# KiCad board V1.1.kicad_pcb (continued)
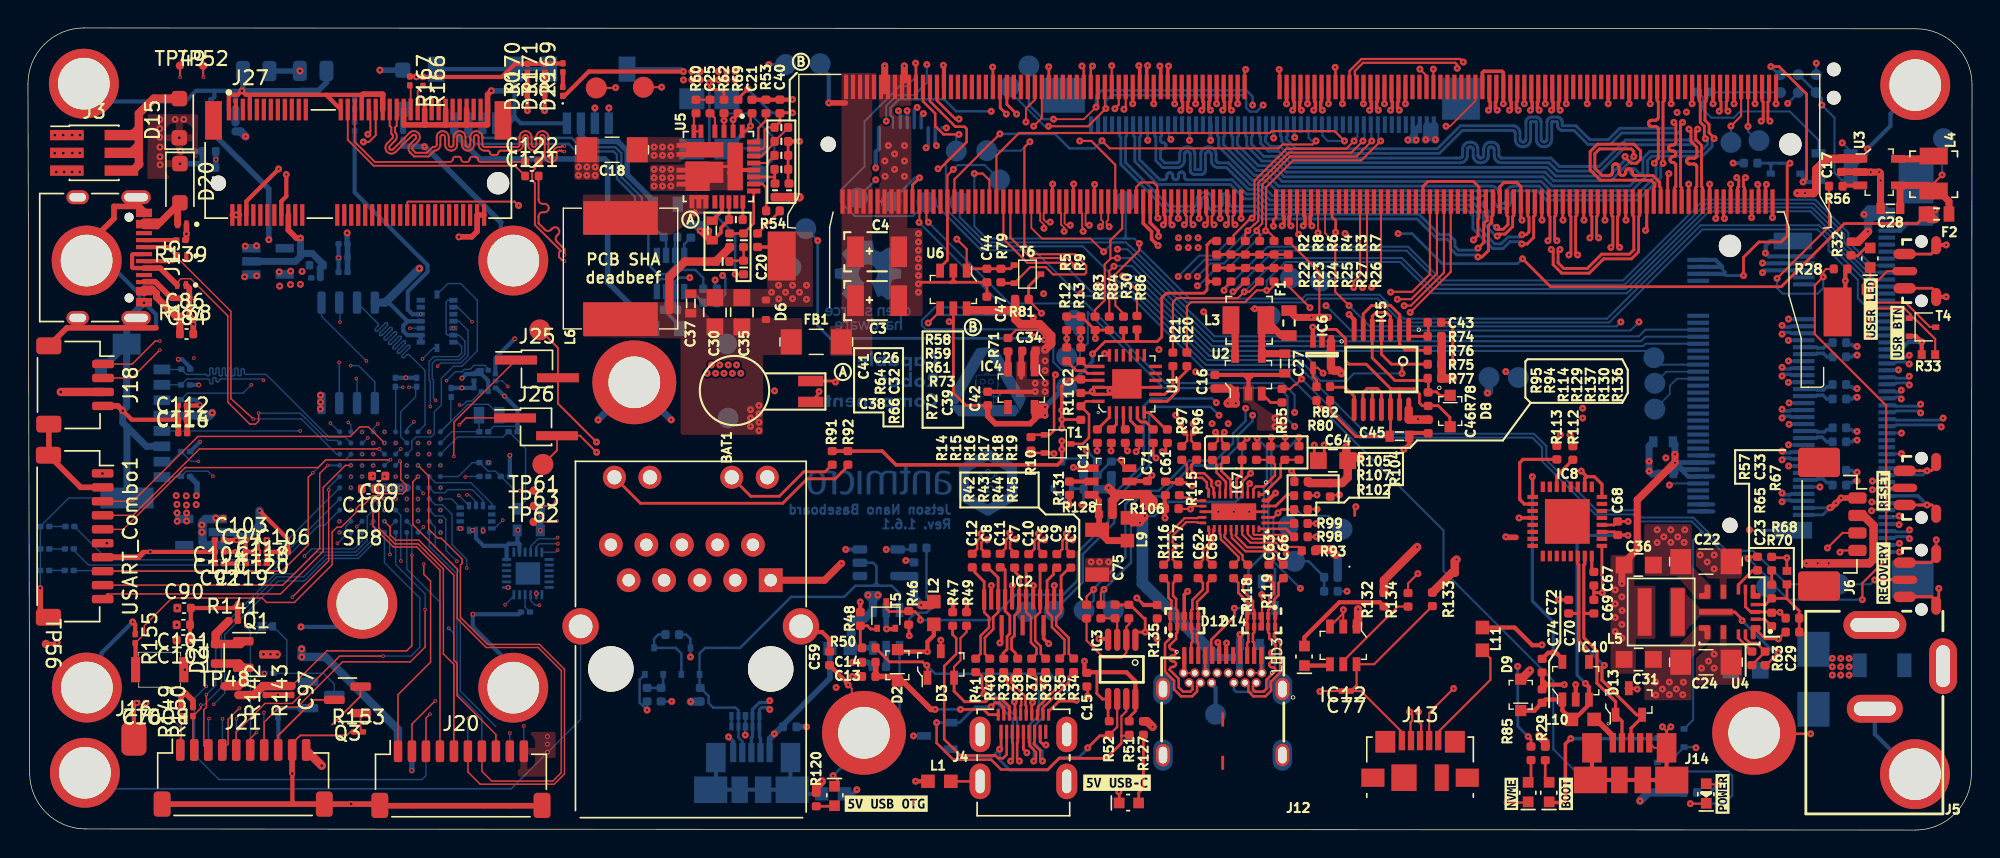
[diagram p0: board, top side]
## Routing (per net, layer and track width the routed paths; a pad name or vN(x,y) marks a point on that pad's centre or on a via; arc(x,y) is an arc through that point) (continued)
/NextPx4/SDMMC1_CK: length 15.3
  In3_SIGNAL.Cu w0.1: v4(23.89,26.9) 23.89,27.33 23.53,27.7 21.44,27.7 20.57,28.57 v4(19.47,28.57)
  Bottom w0.1: v4(19.47,28.57) J23.5
/NextPx4/SDMMC1_CMD: length 18.2
  In3_SIGNAL.Cu w0.1: v4(24.69,27.71) 24.69,28.21 23.3,29.6 20.52,29.6 17.5,32.62 16.67,32.62 15.97,31.92 v4(15.97,31.86)
  Bottom w0.1: v4(15.97,31.86) 15.38,31.27 11.4,31.27 R163.1 10.9,30.77 J23.3
/NextPx4/SDMMC1_D0: length 18.9
  In3_SIGNAL.Cu w0.1: v4(23.09,24.5) 22.76,24.83 22.76,24.87 16.07,24.87 arc(15.99,24.83) 15.96,24.75 15.96,24.52 arc(15.92,24.44) 15.84,24.41 arc(15.77,24.44) 15.73,24.52 15.73,24.75 arc(15.7,24.83) 15.62,24.87 arc(15.54,24.83) 15.51,24.75 15.51,24.52 arc(15.47,24.44) 15.39,24.41 arc(15.32,24.44) 15.28,24.52 15.28,24.75 arc(15.25,24.83) 15.17,24.87 arc(15.09,24.83) 15.06,24.75 15.06,24.52 arc(15.02,24.44) 14.94,24.41 arc(14.87,24.44) 14.83,24.52 14.83,24.75 arc(14.8,24.83) 14.72,24.87 arc(14.64,24.83) 14.61,24.75 14.61,24.52 arc(14.57,24.44) 14.49,24.41 arc(14.42,24.44) 14.38,24.52 14.38,24.75 arc(14.35,24.83) 14.27,24.87 arc(14.19,24.83) 14.16,24.75 14.16,24.52 arc(14.12,24.44) 14.04,24.41 arc(13.97,24.44) 13.93,24.52 13.93,24.75 arc(13.9,24.83) 13.82,24.87 13.08,24.87 12.19,25.76 v4(12.19,26.39)
  Bottom w0.1: J23.7 10.23,26.37 R164.1 11.65,26.39 v4(12.19,26.39)
/NextPx4/SDMMC1_D1: length 18.2
  In3_SIGNAL.Cu w0.1: v4(13.23,25.32) 13.46,25.09 16.52,25.09 arc(16.6,25.12) 16.63,25.2 16.63,25.43 arc(16.67,25.51) 16.74,25.54 arc(16.82,25.51) 16.86,25.43 16.86,25.2 arc(16.89,25.12) 16.97,25.09 arc(17.05,25.12) 17.08,25.2 17.08,25.43 arc(17.12,25.51) 17.19,25.54 arc(17.27,25.51) 17.31,25.43 17.31,25.2 arc(17.34,25.12) 17.42,25.09 arc(17.5,25.12) 17.53,25.2 17.53,25.43 arc(17.57,25.51) 17.64,25.54 arc(17.72,25.51) 17.76,25.43 17.76,25.2 arc(17.79,25.12) 17.87,25.09 arc(17.95,25.12) 17.98,25.2 17.98,25.43 arc(18.02,25.51) 18.09,25.54 arc(18.17,25.51) 18.21,25.43 18.21,25.2 arc(18.24,25.12) 18.32,25.09 arc(18.4,25.12) 18.43,25.2 18.43,25.43 arc(18.47,25.51) 18.54,25.54 arc(18.62,25.51) 18.66,25.43 18.66,25.2 arc(18.69,25.12) 18.77,25.09 arc(18.85,25.12) 18.88,25.2 18.88,25.43 arc(18.92,25.51) 18.99,25.54 arc(19.07,25.51) 19.11,25.43 19.11,25.2 arc(19.14,25.12) 19.22,25.09 22.91,25.09 v4(23.09,25.28)
  Bottom w0.1: J23.8 10.9,25.27 R165.1 11.31,25.68 12.86,25.68 v4(13.23,25.32)
/NextPx4/SDMMC1_D2: length 21.3
  Bottom w0.1: U22.B9 22.67,28.12 21.52,28.12 17.02,32.61 15.58,32.61 arc(15.5,32.65) 15.47,32.73 15.47,32.92 arc(15.44,33) 15.36,33.04 arc(15.28,33) 15.24,32.92 15.24,32.56 arc(15.23,32.53) 15.19,32.51 15.07,32.51 arc(15.03,32.53) 15.02,32.56 15.02,32.96 arc(14.99,33.04) 14.91,33.08 arc(14.83,33.04) 14.79,32.96 14.79,32.56 arc(14.78,32.53) 14.74,32.51 14.62,32.51 arc(14.58,32.53) 14.57,32.56 14.57,32.97 arc(14.54,33.05) 14.46,33.09 arc(14.38,33.05) 14.34,32.97 14.34,32.56 arc(14.33,32.53) 14.29,32.51 14.17,32.51 arc(14.13,32.53) 14.12,32.56 14.12,32.98 arc(14.09,33.06) 14.01,33.09 arc(13.93,33.06) 13.89,32.98 13.89,32.56 arc(13.88,32.53) 13.84,32.51 13.72,32.51 arc(13.68,32.53) 13.67,32.56 13.67,32.98 arc(13.64,33.06) 13.56,33.09 arc(13.48,33.06) 13.44,32.98 13.44,32.73 arc(13.41,32.65) 13.33,32.61 arc(13.25,32.65) 13.22,32.73 13.22,32.98 arc(13.19,33.06) 13.11,33.09 arc(13.03,33.06) 12.99,32.98 12.99,32.56 arc(12.98,32.53) 12.94,32.51 12.82,32.51 arc(12.78,32.53) 12.77,32.56 arc(12.76,32.6) 12.72,32.61 11.33,32.61 R161.1 10.94,32.97 J23.1
/NextPx4/SDMMC1_D3: length 18.2
  In3_SIGNAL.Cu w0.1: v4(24.3,28.07) 21.65,28.07 17.53,32.19 v4(16.84,32.19)
  Bottom w0.1: v4(16.84,32.19) 16.75,32.28 13.78,32.28 arc(13.7,32.25) 13.67,32.18 arc(13.64,32.1) 13.56,32.07 13.55,32.07 arc(13.47,32.1) 13.44,32.18 13.44,32.33 arc(13.43,32.37) 13.39,32.38 13.27,32.38 arc(13.23,32.37) 13.22,32.33 13.22,32.04 arc(13.18,31.96) 13.1,31.92 arc(13.03,31.96) 12.99,32.04 12.99,32.17 arc(12.96,32.25) 12.88,32.28 11.36,32.28 R162.1 10.93,31.87 J23.2 ; U22.B8 23.93,27.7 v4(24.3,28.07)
/NextPx4/SPI1_MISO: length 12.8
  In3_SIGNAL.Cu w0.1: v4(27.89,22.1) 27.89,21.41 29.45,19.85 31.3,19.85 35.07,16.09 v4(36.57,16.09)
  Bottom w0.1: v4(36.57,16.09) 36.27,16.09 35.95,16.42 U26.9
/NextPx4/SPI1_MOSI: length 12.2
  In3_SIGNAL.Cu w0.1: v4(28.28,21.69) 28.28,21.34 29.54,20.08 37.83,20.08 v4(37.87,20.04)
  Bottom w0.1: U26.24 37.72,19.89 v4(37.87,20.04) ; U22.K3 v4(28.28,21.69)
/NextPx4/SPI1_SCK: length 13.4
  In3_SIGNAL.Cu w0.1: v4(37.88,20.49) 29.7,20.49 28.65,21.53 28.65,22.14 v4(27.89,22.9)
  Bottom w0.1: U26.23 36.35,20.27 36.57,20.49 v4(37.88,20.49)
/NextPx4/SPI2_MISO: length 5.6
  Bottom w0.1: U22.E2 29.13,24.86 31.67,24.86 33.17,23.37 U24.1
/NextPx4/SPI2_MOSI: length 4.8
  Bottom w0.1: U24.14 32.54,23.59 31.76,24.36 30.02,24.36 29.8,24.14 29.05,24.14 U22.F2
/NextPx4/SPI2_SCK: length 10.1
  In3_SIGNAL.Cu w0.1: 31.46,23.99 v4(31.4,23.99) 31.29,23.99 30.96,24.32 30.64,24.32 30.49,24.17 29.7,24.17 29.66,24.12 28.63,24.12 28.63,24.25 27.97,24.91 25.36,24.91 25.05,25.22 25.05,26.54 v4(24.69,26.9)
  Bottom w0.1: U24.13 32.04,23.5 31.54,23.99 v4(31.4,23.99)
/NextPx4/SPI3_MISO: length 15.3
  In3_SIGNAL.Cu w0.1: v4(25.49,28.5) 27.67,30.68 29.08,30.68 v4(29.15,30.75)
  Bottom w0.1: 30.41,37.92 30.02,37.92 29.9,37.8 29.9,35.54 30.02,35.42 30.81,35.42 31.24,34.98 31.24,34.05 30.85,33.65 29.17,33.65 28.9,33.39 28.9,32.31 28.99,32.22 28.99,30.9 v4(29.15,30.75)
/NextPx4/SPI3_MOSI: length 11.9
  In3_SIGNAL.Cu w0.1: v4(28.77,30.31) 28.77,30.3 28.06,29.59 27.44,29.59 26.67,28.82 v4(26.66,27.28) 26.67,27.28
  Bottom w0.1: v4(26.66,27.28) 26.29,26.91 U22.C5 ; 30.41,34.92 30.7,34.92 31.02,34.6 31.02,34.14 30.76,33.88 29.02,33.88 28.68,33.54 28.68,32.22 28.77,32.13 v4(28.77,30.31)
/NextPx4/SPI3_SCK: length 9
  In3_SIGNAL.Cu w0.1: v4(28.21,33.72) 26.49,33.72 25.57,32.8 25.57,29.63 v4(25.01,29.07)
  Bottom w0.1: v4(28.21,33.72) 28.99,34.5 U25.8 ; U22.A7 24.69,28.75 v4(25.01,29.07)
/NextPx4/SPI4_MISO: length 37.9
  Top w0.1: J20.6 31.46,4.16 32.33,3.28 37.62,3.28 38.36,4.02 38.36,11.5 36.58,13.29 32.86,13.29 30.92,15.23 30.92,18.96 31.04,19.08 31.04,19.4 29.55,20.89 29.3,20.89 28.65,21.53 28.65,25.34 v4(27.89,26.1)
/NextPx4/SPI4_MOSI: length 35.6
  Top w0.1: v4(27.89,25.3) 27.52,24.93 27.52,21.86 30.7,18.68 30.7,15.13 32.77,13.06 36.49,13.06 38.14,11.41 38.14,6.28 38.13,6.27 38.13,4.11 37.53,3.51 33.16,3.51 32.46,4.21 J20.7
/NextPx4/SPI4_SCK: length 20.7
  Top w0.1: v4(25.49,22.1) 25.9,21.69 25.9,21.13 26.28,20.75 27.95,20.75 30.45,18.24 30.45,12.17 30.68,11.94 30.68,9.61 33.46,6.84 J20.8
/NextPx4/SWDIO: length 27.4
  Top w0.1: v4(37.83,22.13) 37.76,22.06 TP62.1
  In5_3V3_SYS_SIGNAL.Cu w0.1: v4(37.83,22.13) 38.41,22.71 38.41,29.46 38.04,29.82 22.32,29.82 v4(21.63,29.13)
  Bottom w0.1: U22.A10 22.25,28.5 v4(21.63,29.13)
/NextPx4/UART4_RX: length 35.5
  Top w0.1: J26.1 31.32,29.49 v4(30.84,29.01) ; J18.2 7.43,32.36 v4(9.43,34.36)
  In3_SIGNAL.Cu w0.1: v4(23.9,26.09) 23.51,25.7 21.2,25.7 12.53,34.37 9.44,34.37 v4(9.43,34.36)
  In5_3V3_SYS_SIGNAL.Cu w0.1: v4(23.9,26.09) 24.28,26.47 25.36,26.47 25.79,26.9 27.26,26.9 27.67,27.31 29.14,27.31 v4(30.84,29.01)
/NextPx4/UART4_TX: length 40.4
  Top w0.1: J25.1 30.46,29.21 30.46,27.77 30.45,27.76 v4(30.45,26.75) ; J18.1 7.4,33.36 7.43,33.33 9.1,35 v4(9.43,35)
  In3_SIGNAL.Cu w0.1: v4(9.43,35) 12.23,35 19.94,27.29 22.69,27.29 23.51,26.46 24.06,26.46 24.27,26.25 24.27,25.68 v4(23.89,25.3)
  In5_3V3_SYS_SIGNAL.Cu w0.1: v4(30.45,26.75) 30.45,26.54 29.61,25.69 24.28,25.69 v4(23.89,25.3)
/NextPx4/UART5_RX: length 21.4
  In3_SIGNAL.Cu w0.1: v4(15.57,14.57) 15.57,15.8 18.28,18.51 18.67,18.51 v4(19.77,19.61)
  Bottom w0.1: v4(19.77,19.61) 20.29,20.13 23.33,20.13 23.89,20.69 U22.K8 ; U23.2 v4(15.57,14.57) 15.91,14.23 15.91,6.52
/NextPx4/UART5_TX: length 28.9
  In3_SIGNAL.Cu w0.1: v4(23.52,21.72) 23.52,20.36 23.72,20.16 27.82,20.16 28.84,19.14 28.84,14.3 23.14,8.6 17.05,8.6 v4(16.87,8.42)
  Bottom w0.1: 23.89,22.09 v4(23.52,21.72) ; v4(16.87,8.42) 16.87,6.55
  Bottom w0.125: U22.J8 23.89,22.09 ; 16.87,5.78 J17.4
/NextPx4/UART7_RX: length 27.3
  In3_SIGNAL.Cu w0.1: v4(26.67,19.26) 27.69,18.24 27.69,13.9 22.99,9.21 17.68,9.21 17.58,9.31 15.26,9.31 v4(13.91,7.96)
  Bottom w0.1: 13.91,7.96 13.91,6.52 ; 26.66,19.26 26.66,22.53 U22.H5
  Bottom w0.125: v4(13.91,7.96) 13.91,7.96 ; v4(26.67,19.26) 26.66,19.26
/NextPx4/UART7_TX: length 26.8
  In3_SIGNAL.Cu w0.1: v4(14.91,7.96) 15.84,8.89 23.03,8.89 27.94,13.8 27.94,18.62 26.84,19.72 v4(25.89,19.72)
  Bottom w0.1: U22.J5 25.86,21.67 25.86,19.75 ; 14.91,6.52 14.91,7.96
  Bottom w0.125: v4(25.89,19.72) 25.86,19.75 ; 14.91,7.96 v4(14.91,7.96)
/NextPx4/USART1_CK: length 24.4
  Top w0.1: 5.71,16.9 18.06,16.9 21.11,19.95 21.11,24.52 22.69,26.1 v4(23.1,26.1)
  Top w0.15: USART_Combo1.10 5.71,16.9
  Bottom w0.125: 23.09,26.12 v4(23.1,26.1) U22.D9
/NextPx4/USART1_RX: length 23.6
  Top w0.1: USART_Combo1.9 18.22,17.53 20.86,20.17 20.86,25.53 v4(21.43,26.1)
  Bottom w0.125: v4(21.43,26.1) 21.43,26.1 U22.D10
/NextPx4/USART1_TX: length 24.1
  Top w0.1: USART_Combo1.8 18.16,18.53 20.04,20.41 20.04,25.24 v4(20.37,25.57)
  Bottom w0.1: v4(20.37,25.57) 21.27,26.47 22.66,26.47 U22.C9
  Bottom w0.125: U22.C9 23.09,26.92
/NextPx4/USART2_CK: length 23.2
  Top w0.1: v4(25.92,26.5) 21.3,26.5 20.74,25.95 11.25,25.95 6.82,21.52 5.58,21.52 5.57,21.53 USART_Combo1.5
  Bottom w0.1: U22.D6 25.89,26.5 v4(25.92,26.5)
/NextPx4/USART2_RX: length 22.3
  Top w0.1: v4(25.12,27.28) 12.26,27.28 7.51,22.53 USART_Combo1.4
  Bottom w0.1: U22.C6 v4(25.12,27.28)
/NextPx4/USART2_TX: length 22.8
  Top w0.1: USART_Combo1.3 7.51,23.53 12.15,28.17 23.05,28.17 23.73,28.85 24.34,28.85 v4(25.49,27.7)
/NextPx4/USART3_CK: length 24.7
  In3_SIGNAL.Cu w0.1: 14.83,16.62 19.12,20.91 22.41,20.91 22.69,21.19 22.69,22.5 v4(23.09,22.9) ; 14.57,16.36 14.57,12.72 12.31,10.46 12.31,10.16 v4(10.2,8.05)
  In3_SIGNAL.Cu w0.125: 14.83,16.62 14.83,16.62 14.57,16.36
  Bottom w0.1: v4(10.2,8.05) 10.91,7.34 10.91,6.57
  Bottom w0.125: J17.10 10.91,6.57
/NextPx4/USART3_RX: length 41
  In3_SIGNAL.Cu w0.1: v4(22.13,20.52) 19.94,20.52 15.05,15.63 15.05,12.58 v4(12.75,10.28)
  Bottom w0.1: v4(22.13,20.52) 22.72,21.11 22.72,21.73 U22.J9 ; v4(12.75,10.28) 11.91,9.44 11.91,6.52 ; J17.9 11.91,5.37 13.66,3.62 28.18,3.62 28.46,3.89 J19.8
/NextPx4/USART3_TX: length 19.6
  In3_SIGNAL.Cu w0.1: v4(12.95,7.98) 16.24,11.27 16.24,14.65 21.22,19.63 22.3,19.63 23.09,20.42
  In3_SIGNAL.Cu w0.125: v4(23.09,20.52) 23.09,20.42
  Bottom w0.1: v4(23.09,20.52) U22.K9 ; 12.91,6.52 12.91,7.94
  Bottom w0.125: 12.91,7.94 v4(12.95,7.98)
/NextPx4/USB_OTG_FS_DM: length 26.4
  Top w0.1: v4(16.12,29.43) 14.51,30.87 14.51,37.12 10.69,40.94 D17.2
  Top w0.3: J15.A7 10.33,40.72 D17.2 10.06,41.72 J15.B7
  Bottom w0.1: U22.C10 22.07,26.9 19.54,29.43 v4(16.12,29.43)
/NextPx4/USB_OTG_FS_DP: length 26.9
  Top w0.1: v4(16.49,29.84) 16.49,29.83 16.49,29.27 16.28,29.05 15.86,29.05 14.29,30.63 14.29,36.8 11.63,39.46 10.94,39.46 10.67,39.19 D19.2
  Top w0.3: J15.B6 7.52,40.22 7.45,40.3 7.45,41.15 7.52,41.22 J15.A6
  Top w0.4: D19.2 9.45,40.22 J15.B6
  Bottom w0.1: U22.B10 22.1,27.89 21.43,27.89 19.82,29.5 19.81,29.5 19.47,29.84 v4(16.49,29.84)
/SoM/PMIC_BBAT: length 29.8
  Top w0.18: v1(65.08,47.33) 65.21,47.33 67.12,49.24 67.12,50.19 66.97,50.34 66.32,50.34 64.5,52.16 M1.235
  Top w0.2: v1(57.74,32.07) 57.67,32.14 BAT1.+
  In3_SIGNAL.Cu w0.2: v1(57.74,32.07) 60.15,32.07 61.37,33.29 61.37,42.29 65.08,46 v1(65.08,47.33)
/Supply/\~{PWR_SET}: length 2.9
  Top w0.2: IC5.1 98.73,35.34 100.13,35.34 100.13,36.34
/Supply/FAN_PMW_5V: length 81.4
  Top w0.15: v1(129.57,19.89) 129.69,20.01 J6.4 ; v1(64.37,36.29) 65.22,37.14 U6.4
  In3_SIGNAL.Cu w0.15: v1(111.17,29.49) 111.77,28.89 117.67,28.89 126.92,19.64 129.32,19.64 v1(129.57,19.89)
  In5_3V3_SYS_SIGNAL.Cu w0.125: v1(111.17,29.49) 106.67,33.99 90.07,33.99 89.52,34.54 89.52,39.04 88.17,40.39 81.87,40.39 77.82,36.34 72.24,36.34 v1(71.89,36.69)
  Bottom w0.15: v1(71.89,36.69) 71.71,36.87 64.95,36.87 v1(64.37,36.29)
/Supply/FAN_TACH_5V: length 75
  Top w0.15: J6.3 129.74,21.26 v1(128.67,20.19) ; v1(72.47,36.99) 71.55,37.91 R81.1
  Top w0.2: R81.1 71.55,38.92 T6.3
  In3_SIGNAL.Cu w0.15: v1(128.67,20.19) 126.87,20.19 117.87,29.19 112.17,29.19 v1(111.17,30.19)
  In5_3V3_SYS_SIGNAL.Cu w0.125: v1(72.47,36.99) 77.92,36.99 81.62,40.69 88.27,40.69 89.82,39.14 89.82,34.69 90.22,34.29 106.77,34.29 110.87,30.19 v1(111.17,30.19)
/Supply/Q: length 12.9
  Top w0.2: IC5.3 97.43,36.76 97.13,37.05 96.4,37.05 96.12,36.77 96.12,35.82 IC5.5 96.12,35.8 96.12,33.8 97.74,32.18 99.95,32.18 100.13,32.35 100.13,31.36 100.16,31.33 100.18,31.36 100.71,31.36 100.98,31.1 101.68,31.1
/Supply/QDEL: length 24.9
  Top w0.2: 97.43,31.6 95.69,33.34 94.47,33.34 94.21,33.6 94.21,35.17 93.55,35.83 92.69,35.83 92.54,35.68 IC6.2 ; 97.43,31.6 IC5.12 97.43,28.43 97.16,28.16 94.95,28.16 93.07,30.04 93.07,30.65 93.09,30.68 ; 97.43,31.6 97.44,31.59 98.08,31.59 ; IC5.13 98.08,31.59 ; 98.08,31.59 99.12,31.59 99.5,31.21 99.5,30.57 99.7,30.37 100.84,30.37 101.68,29.53 101.68,28.99
/Supply/VDRV_5V_DCDC: length 1.6
  Top w0.25: 48.92,43.61 49.62,44.31 49.62,44.96
/USB/C_CC1: length 21.8
  Top w0.18: v1(89.89,28.11) 89.89,27.49 89.87,27.46 ; v1(87.89,28.03) 87.89,27.51 87.84,27.46 ; J12.A5 84.61,12.56 84.61,13.62 86.26,15.27 v1(86.26,15.88)
  In2.Cu w0.18: v1(89.89,28.11) 89.27,27.48 88.44,27.48 v1(87.89,28.03)
  Bottom w0.18: v1(86.26,15.88) 86.27,15.89 D11.2 87.27,18.64 88.37,19.74 88.37,24.5 88.59,24.72 88.59,27.33 v1(87.89,28.03)
/USB/C_CC2: length 25.5
  Top w0.2: v1(88.9,28.11) 88.9,27.51 88.85,27.46 ; 90.88,27.47 v1(90.88,28.11)
  Bottom w0.18: 88.94,18.86 89.17,18.64 D11.1 89.17,11.34 88.72,10.89 88.72,10.24 88.37,9.89 86.39,9.89 86.23,10.05 J12.B5
  Bottom w0.2: 89.16,27.48 90.26,27.48 v1(90.88,28.11) ; 89.16,27.48 89.03,27.48 88.9,27.36 ; 89.16,27.48 89.04,27.48 88.9,27.62 ; 88.9,27.62 v1(88.9,28.11) ; 88.9,27.62 88.9,27.36 ; 88.9,27.36 88.9,24.59 88.68,24.37 88.68,19.13 88.94,18.86
/USB/C_USBSS_RX1_N: length 11.4
  Top w0.182: J12.B10 83.6,10.31 83.6,9.92 83.25,9.57 82.45,9.57 81.95,10.07 81.95,10.69 81.3,11.34 81.3,13.36 81.76,13.82 81.76,14.06 81.68,14.14 81.68,15.74 81.76,15.82 81.76,16.41 81.55,16.63 81.55,17.68 R116.2
/USB/C_USBSS_RX1_P: length 11.4
  Top w0.182: J12.B11 83.26,10.31 83.26,10.06 83.11,9.91 82.59,9.91 82.29,10.21 82.29,10.82 81.64,11.47 arc(81.7,11.62) 81.84,11.68 81.88,11.68 arc(82.03,11.74) 82.09,11.88 arc(82.03,12.02) 81.88,12.08 81.84,12.08 arc(81.7,12.14) 81.64,12.29 arc(81.7,12.43) 81.84,12.49 81.88,12.49 arc(82.03,12.55) 82.09,12.69 arc(82.03,12.84) 81.88,12.9 81.84,12.9 arc(81.7,12.96) 81.64,13.1 81.64,13.22 82.1,13.68 82.1,14.06 82.18,14.14 82.18,15.74 82.1,15.82 82.1,16.55 81.88,16.77 81.88,17.68 R117.2
/USB/C_USBSS_RX2_N: length 6.1
  Top w0.182: R118.2 86.55,17.69 86.55,16.98 87.26,16.26 87.26,15.82 87.18,15.74 87.18,14.14 87.26,14.06 87.26,13.48 87.18,13.4 J12.A10
/USB/C_USBSS_RX2_P: length 6.1
  Top w0.182: R119.2 86.88,17.69 86.88,17.11 87.6,16.4 87.6,15.82 87.68,15.74 87.68,14.14 87.6,14.06 87.6,13.48 87.68,13.4 J12.A11
/USB/C_USBSS_RX6_N: length 3.7
  Top w0.182: R97.2 82.87,26.13 82.87,25.61 83.27,25.21 83.97,25.21 84.3,24.87 84.3,24.49 84.44,24.35 84.44,24.03 IC7.10
/USB/C_USBSS_RX6_P: length 3.8
  Top w0.182: R96.2 83.2,26.13 83.2,25.75 83.4,25.54 84.1,25.54 84.63,25.01 84.63,24.63 84.77,24.48 84.77,24.03 IC7.9
/USB/C_USBSS_TX1_N: length 6.1
  Top w0.182: C65.1 84.34,17.68 84.34,17.08 83.6,16.33 83.6,15.82 83.68,15.74 83.68,14.14 83.6,14.06 83.6,13.48 83.68,13.4 J12.A3
/USB/C_USBSS_TX1_P: length 6.1
  Top w0.182: C62.1 84.01,17.68 84.01,17.22 83.26,16.47 83.26,15.82 83.18,15.74 83.18,14.14 83.26,14.06 83.26,13.48 83.18,13.4 J12.A2
/USB/C_USBSS_TX2_N: length 11.5
  Top w0.182: J12.B3 87.26,10.31 87.26,9.92 87.61,9.57 88.49,9.57 88.89,9.97 88.89,10.62 89.54,11.27 89.54,13.41 89.1,13.85 89.1,14.06 89.18,14.14 89.18,15.74 89.1,15.82 89.1,16.48 89.42,16.8 89.42,17.67 C66.1
/USB/C_USBSS_TX2_P: length 11.5
  Top w0.182: J12.B2 87.6,10.31 87.6,10.06 87.75,9.91 88.35,9.91 88.55,10.11 88.55,10.76 89.2,11.41 89.2,11.45 arc(89.14,11.59) 89,11.65 88.96,11.65 arc(88.81,11.71) 88.75,11.85 arc(88.81,12) 88.96,12.06 89,12.06 arc(89.14,12.12) 89.2,12.26 arc(89.14,12.4) 89,12.46 88.96,12.46 arc(88.81,12.52) 88.75,12.67 arc(88.81,12.81) 88.96,12.87 89,12.87 arc(89.14,12.93) 89.2,13.07 89.2,13.27 88.76,13.71 88.76,14.06 88.68,14.14 88.68,15.74 88.76,15.82 88.76,16.62 89.09,16.94 89.09,17.67 C63.1
/USB/C_USBSS_TX6_N: length 2.9
  Top w0.182: R95.2 84.99,26.18 84.99,25.59 85.66,24.92 85.66,24.83 85.66,24.83 85.66,24.4 85.62,24.36 IC7.7
/USB/C_USBSS_TX6_P: length 2.9
  Top w0.182: IC7.6 86.02,24.36 85.99,24.39 85.99,25.06 85.32,25.72 85.32,26.18 R94.2
/USB/CC1: length 5.1
  Top w0.15: IC7.2 87.62,24.42 ; 87.84,26.5 88.85,26.5
  Top w0.18: R137.2 89.16,26.19 89.16,25.38 88.37,24.59 87.81,24.59 87.62,24.4 IC7.2
/USB/CC2: length 4.4
  Top w0.15: 90.88,26.51 90.87,26.5 89.87,26.5
  Top w0.18: IC7.1 88.29,24.01 89.57,25.29 89.57,26.2 R130.1
/USB/DBG_USB_D_N: length 15.3
  Top w0.23: 111.25,15.51 111.25,13.76 112.19,12.82 112.19,10.52 113.52,9.19 D13.1 113.98,7.79 J14.2 ; 111.25,15.51 111.25,18.98 111.32,19.05 111.32,19.61 ; 111.25,15.51 111.25,15.5 C69.2
/USB/DBG_USB_D_P: length 16.8
  Top w0.23: 110.89,15.57 110.89,18.98 110.82,19.05 110.82,19.61 ; 110.89,15.57 110.83,15.5 C70.2 ; 110.89,15.57 110.89,13.57 110.91,13.57 111.33,13.14 v1(111.33,12.95) ; 112.67,11.79 112.55,11.67 112.55,10.72 115.02,8.25 D13.2 115.42,8.07 114.63,7.28 J14.3
  Bottom w0.23: 112.67,11.79 111.51,12.95 v1(111.33,12.95)
  vias: v1(112.72,11.79)
/USB/EN_MUX: length 12
  Top w0.15: 92.12,22.98 92.1,22.96 91.5,22.96 ; IC7.12 83.33,23.18 v1(83.13,22.98) 82.4,22.98
  In2.Cu w0.15: v1(92.18,22.96) 91.75,23.39 88.57,23.39 88.27,23.69 83.83,23.69 v1(83.13,22.98)
/USB/OTG_USB_ID: length 30.3
  Bottom w0.18: 60.67,17.69 60.67,18.89 60.43,19.13 U8.2 ; 60.67,17.69 60.87,17.49 ; 60.67,17.69 60.47,17.49 ; 60.67,17.69 60.67,17.49 ; 60.87,17.49 61.77,17.49 62.32,16.94 IC9.3 ; 60.87,17.49 60.67,17.49 ; 60.47,17.49 59.17,17.49 58.37,16.69 54.57,16.69 50.92,13.04 48.42,13.04 48.02,12.64 T7.1 48.02,10.22 R108.1 ; 60.47,17.49 60.67,17.49 ; R108.1 48.08,10.17 48.67,9.59 48.67,9.09 48.99,8.76 50.59,8.76 50.8,8.55 D10.4 50.8,6.63 51.08,6.36 J11.4 ; R108.1 48.05,10.17
/USB/OTG_USB_VBUS: length 27.6
  In5_3V3_SYS_SIGNAL.Cu w0.18: v1(46.03,9.2) 46.65,9.2 49.77,6.09 52.57,6.09 v1(53.37,6.89)
  Bottom w0.18: v1(46.03,9.2) R110.1
  Bottom w0.3: 57.34,10.86 v1(53.37,6.89) 53.48,6.89 C73.2 53.03,6.43 J11.1
  Bottom w0.4: J11.1 53.03,6.55 57.34,10.86 L7.2
/USB/USB2_VBUS: length 14.7
  Top w0.15: R133.2 96.26,11.87 IC12.6 95,10.37 C77.1 95.31,9.95 98.24,7.02 J13.1
/USB/USB_DBG_VBUS: length 2.3
  Top w0.4: L10.1 112.14,7.92 113.33,6.73 J14.1
/USB/USBC_ADDR: length 8.6
  Top w0.15: v1(89.97,19.82) 89.22,20.57 87.41,20.57 86.82,21.15 IC7.22
  Bottom w0.18: TP44.1 91.57,19.24 92.68,18.12 92.68,17.09
  Bottom w0.2: v1(89.97,19.82) 89.99,19.82 TP44.1
/USB/USBC_FAULT: length 3.6
  Top w0.15: v1(89.82,20.99) 89.68,21.13 87.68,21.13 87.62,21.18 IC7.24
  Bottom w0.18: v1(89.82,20.99) 89.82,21.39 90.12,21.69 TP46.1
/USB/USBC_ID: length 43.5
  Top w0.18: 90.53,22.94 89.63,22.94 v1(89.39,22.7) 89.07,22.38 IC7.27
  In5_3V3_SYS_SIGNAL.Cu w0.18: v1(90.99,17.3) 90.68,17.61 86.57,17.61 81.84,12.88 78.9,12.88 77.83,13.95 77.83,20.81 v1(75.34,23.3)
  Bottom w0.15: TP45.1 93.02,22.49 91.17,22.49 90.67,22.99 89.68,22.99 v1(89.39,22.7) 89.06,22.37 89.06,19.23 v1(90.99,17.3)
  Bottom w0.18: R123.1 75.47,24.89 ; 75.47,24.89 75.47,24.47 ; 75.47,24.89 75.47,23.43 v1(75.34,23.3)
  Bottom w0.2: T9.1 75.43,24.44 75.47,24.47
/USB/USBC_INTN: length 4.7
  Top w0.15: 91.09,20.07 90.89,20.27 89.91,20.27 89.33,20.85 87.56,20.85 87.22,21.18 IC7.23
/USB/USBC_SCL: length 2.1
  Top w0.18: IC7.26 90.49,21.98 90.53,21.94
/USB/USBC_SDA: length 2.7
  Top w0.18: IC7.25 89.97,21.56 90.53,20.99
/USB/USBC_VBUS: length 60.2
  Top w0.15: 80.75,15.15 80.75,13.68 v1(80.74,13.67)
  Top w0.18: J12.A4 84.18,11.29 J12.B9 ; v1(87.17,28.04) 86.82,27.69 R114.2
  Top w0.3: 86.8,27.49 86.82,27.46 ; J12.A9 86.67,12.51 v1(86.67,14)
  Top w0.5: L9.2 78.66,22.4 79.69,22.4 79.76,22.32 ; L9.2 78.75,22.48 v1(79.86,22.48) 79.86,22.38 79.5,22.03 ; L9.2 78.97,21.99 v1(79.52,21.99)
  In3_SIGNAL.Cu w0.15: v1(80.74,13.67) 80.74,12.62 81.37,11.99 83.89,11.99 84.23,11.65 J12.B9
  Bottom w0.18: v1(87.17,28.04) 86.82,27.69 86.82,23.94 86.37,23.49 81.57,23.49 80.56,22.48 v1(79.86,22.48)
  Bottom w0.5: J12.B4 86.63,12.35 ; 86.63,12.35 86.63,13.25 C78.2 86.67,14 v1(86.67,14) ; 86.63,12.35 85.58,12.35 ; J12.B9 84.23,12.35 ; 84.23,12.35 84.23,12.45 ; 84.23,12.35 85.58,12.35 ; 84.23,12.45 84.88,12.45 ; 84.23,12.45 84.23,12.9 ; 79.52,18.09 79.52,17.61 79.98,17.15 ; 79.52,18.09 79.52,22.08 79.84,22.4 ; 79.52,18.09 85.02,12.59 ; 85.02,12.59 84.88,12.45 ; 85.02,12.59 85.26,12.35 85.58,12.35 ; 84.88,12.45 84.68,12.45 84.23,12.9 ; v1(79.86,22.48) 79.86,17.27 79.98,17.15 ; 84.23,12.9 79.98,17.15
/USB/USBSS_RX1_N: length 5.3
  Top w0.16: R116.1 81.57,19.36 81.57,21.19 82.7,22.33 83.63,22.33 83.68,22.38 IC7.14
/USB/USBSS_RX1_P: length 5.3
  Top w0.16: R117.1 81.86,19.36 81.86,20.03 arc(81.9,20.13) 82,20.17 82.07,20.17 arc(82.17,20.21) 82.21,20.31 arc(82.17,20.41) 82.07,20.45 82,20.45 arc(81.9,20.5) 81.86,20.6 81.86,21.07 82.82,22.04 83.63,22.04 83.68,21.98 IC7.15
/USB/USBSS_RX2_N: length 3.3
  Top w0.16: IC7.18 85.22,21.21 85.28,21.15 85.28,20.83 86.57,19.54 86.57,19.36 R118.1
/USB/USBSS_RX2_P: length 3.3
  Top w0.16: IC7.19 85.62,21.21 85.56,21.15 85.56,20.95 86.86,19.65 86.86,19.36 R119.1
/USB/USBSS_TX1_N: length 2.9
  Top w0.16: C65.2 84.32,19.36 84.32,19.99 84.75,20.42 84.75,21.51 IC7.17
/USB/USBSS_TX1_P: length 2.9
  Top w0.16: IC7.16 84.47,21.51 84.47,20.54 84.04,20.11 84.04,19.36 C62.2
/USB/USBSS_TX2_N: length 5
  Top w0.16: IC7.21 86.42,21.21 86.36,21.15 86.36,21.05 87.18,20.23 88.93,20.23 89.39,19.77 89.39,19.37 C66.2
/USB/USBSS_TX2_P: length 5
  Top w0.16: C63.2 89.11,19.37 89.11,19.65 88.81,19.95 87.06,19.95 86.08,20.93 86.08,21.15 86.02,21.21 IC7.20
/USB/~{OTG_USB_FAULT}: length 13.6
  Top w0.2: 57.87,3.37 57.87,3.59 v1(57.57,3.89)
  Bottom w0.18: v1(57.57,3.89) 58.12,4.44 61.32,4.44 62.32,5.44 IC9.4
/USB/~{USB2_FAULT}: length 1.9
  Top w0.15: 93,11.77 IC12.4
  Top w0.3: LED3.2 93,11.77
/Wifi Module/LED 1: length 24.9
  Top w0.3: J27.6 15.62,45 17.92,47.3 v1(17.92,47.32) ; D30.1 35.7,51.5 v1(35.71,51.49)
  In3_SIGNAL.Cu w0.3: v1(35.71,51.49) 22.09,51.49 v1(17.92,47.32)
/Wifi Module/LED 2: length 24.5
  Top w0.3: J27.16 18.12,45 18.47,45.35 v1(18.47,46.92) ; 36.95,52.59 36.95,51.5 v1(36.94,51.49)
  In3_SIGNAL.Cu w0.3: v1(36.94,51.49) 36.41,50.96 22.51,50.96 v1(18.47,46.92)
/Wifi Module/WAKE: length 1.8
  Top w0.125: R166.2 27.87,52.88 J27.55
\PEWAKE_3V3: length 56.2
  Top w0.15: 78.5,53.18 78.5,51.72 v1(78.37,51.59)
  In2.Cu w0.15: v1(77.91,41.57) 77.91,41.95 78.07,42.11 78.07,51.29 v1(78.37,51.59)
  Bottom w0.15: v1(77.91,41.57) 78.61,41.57 84.84,35.34 115.18,35.34 115.65,35.81 J7.54
CAN_RXD: length 54.7
  Top w0.18: v1(89.47,54.44) 89.5,54.41 M1.143
  In2.Cu w0.15: v1(49.13,39.37) 49.22,39.45 49.22,40.84 53.07,44.69 53.07,52.69 54.47,54.09 85.97,54.09 86.87,54.99 89.27,54.99 89.47,54.79 v1(89.47,54.44)
  Bottom w0.18: R88.2 49.13,38.86 v1(49.13,39.37)
CAN_TXD: length 52.4
  Top w0.18: v1(87.07,54.44) 87,54.37 M1.145
  In2.Cu w0.15: v1(49.67,39.69) 49.57,39.79 49.57,40.59 53.47,44.49 53.47,52.49 54.77,53.79 86.17,53.79 86.82,54.44 v1(87.07,54.44)
  Bottom w0.18: v1(49.67,39.69) 49.87,39.49 49.87,38.35 R87.2
Core_3V3: length 63.6
  Top w0.138: TP49.1 10.87,53.89 v4(10.88,53.88)
  Top w0.3: C117.2 C120.1 ; C118.1 v3(17.08,20.75) 17.08,19.93 v3(17.07,19.92) 17.94,19.92 C106.1 ; v3(10.64,14.68) C101.2 10.68,14.74 ; v3(14.91,20.75) 14.9,20.76 C104.1 ; v3(14.93,19.92) 14.92,19.91 C110.1 ; v3(14.93,19.92) 14.94,19.91 ; v3(14.93,19.92) 14.97,19.96 ; v3(12.3,30.44) 12.25,30.39 C116.1 ; C92.1 v3(14.94,19.08)
  Top w0.4: R150.2 11.8,9.27 v3(11.24,9.83) 10.96,9.55 R149.2 ; 11.36,30.37 11.36,30.37 C112.2 11.39,29.35 C114.2
  In5_3V3_SYS_SIGNAL.Cu w0.138: v4(11.86,33.78) 12.25,34.17 12.25,52.51 v4(10.88,53.88)
  Bottom w0.3: U27.10 32.16,32.91 U27.1 ; U27.10 32.42,32.65 32.91,32.16 U27.6 ; U27.10 31.34,32.65 v3(31.03,32.34) ; v3(12.21,31.86) R162.2 ; v3(12.3,30.44) 11.94,30.8 R163.2 ; R164.2 11.6,27.09 v4(12.31,27.8) ; R161.2 11.6,33.11 11.02,33.69 v3(10.75,33.69) ; v4(28.08,36.92) 27.49,36.92 27.16,37.25 27.16,38.55 28.57,39.96 28.57,40.43 23.36,45.65 D22.2 ; R159.1 27.01,32.37 v3(27.01,32.37) 27.01,32.37 R160.1
  Bottom w0.4: 36.65,21.37 36.65,22.57 v3(36.67,22.59) 36.65,22.6 36.65,22.97 ; 25.9,24.5 v3(25.9,24.5) 25.89,24.5 ; R165.2 12.09,24.8 12.09,23.98 v2(12.04,23.93)
  Bottom w0.6: U22.F4 26.67,24.5 v3(26.67,24.51) 26.66,24.5 25.9,24.5 ; 25.89,24.5 25.46,24.5 v3(25.45,24.49) 25.44,24.5 25.11,24.5 U22.F7
  vias: v2(10.6,23.94) v2(10.65,23.31) v2(10.66,22.7) v2(10.67,22.1) v2(11.32,23.92) v2(11.33,23.26) v2(11.34,22.69) v2(11.34,22.12) v2(12.03,23.29) v3(10.62,13.59) v3(10.67,15.88) v3(11.22,11.48) v3(16.91,11.21) v3(30.92,21.58) v3(32.55,21.44) v3(34.33,17.36) v3(36.36,16.93) v3(36.63,21.44) v4(23.89,28.48) v4(28.69,27.72) v4(28.68,26.08) v4(29.49,22.91) v4(29.51,21.28) v4(30.41,35.92) v4(32.93,26.3)
EGND: length 47.7
  Top w0.3: C59.1 57.27,12.82 57.27,13.69 56.79,14.17 55.31,14.17
  Bottom w0.1: J10.S 39.52,7.92 35.67,4.07
  Bottom w0.125: 35.67,4.07 34.55,2.95 5.22,2.95 SP2.1
ENET_LED0: length 51.5
  Top w0.2: M1.194 74.75,46.22 v1(74.77,46.24)
  In5_3V3_SYS_SIGNAL.Cu w0.2: J10.13 46.11,26.89 53.37,26.89 54.52,25.74 60.97,25.74 62.62,27.39 62.62,44.24 63.47,45.09 74.42,45.09 74.75,45.42 74.75,46.22 v1(74.77,46.24)